# Altium PCB PCB_4Layer.PcbDoc (continued)
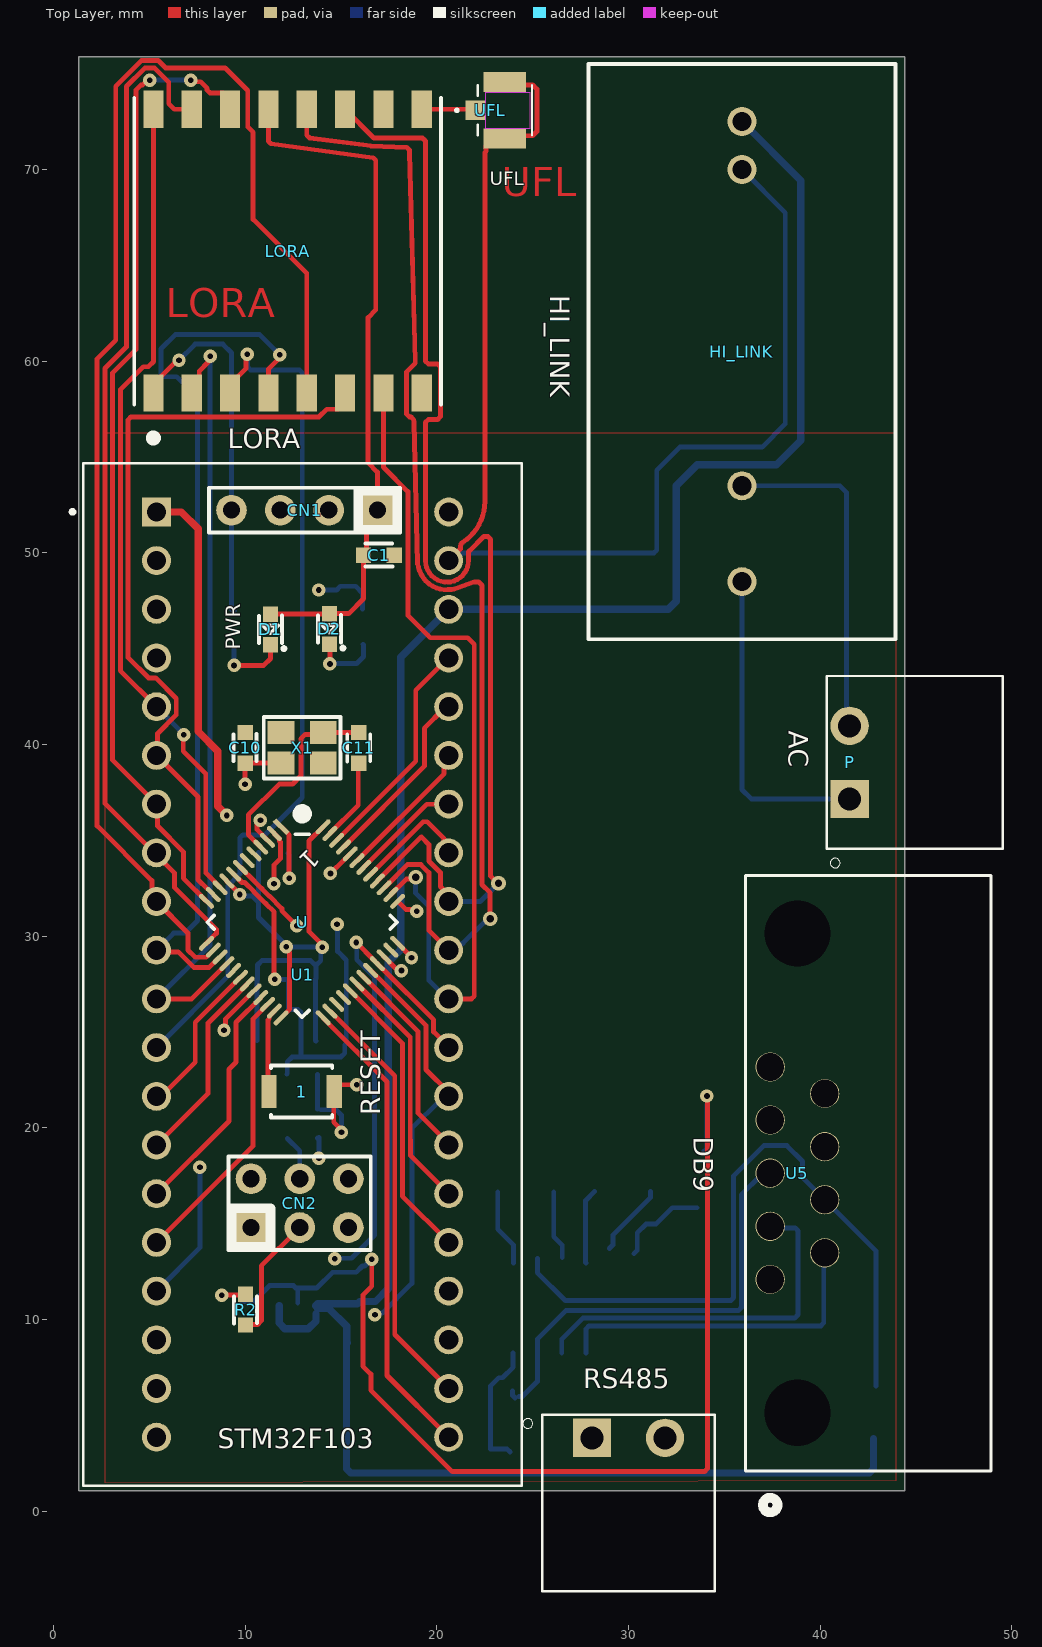
[diagram p0: Top Layer view]
## Part data (continued)
U: "MCU ARM 64KB FLASH 48LQFP", Case/Package=LQFP, Frequency=72MHz, Manufacturer=STMicroelectronics, Max Operating Temperature=85°C, Max Power Dissipation=363mW, Max Supply Voltage=3.6V, Min Operating Temperature=-40°C, Min Supply Voltage=2V, Package Quantity=250, Supplier Part Number 1=497-6063-ND, Address Bus Width=32b, ComponentLink1Description=https://datasheet.ciiva.com/15122/getdatasheetpartid-69880-15122076.pdf?src-supplier=Verical, ComponentLink1URL=https://datasheet.ciiva.com/15122/getdatasheetpartid-69880-15122076.pdf?src-supplier=Verical, ComponentLink2Description=https://datasheet.ciiva.com/26816/stm32f103c8t6-26816902.pdf?src-supplier=IIIC, ComponentLink2URL=https://datasheet.ciiva.com/26816/stm32f103c8t6-26816902.pdf?src-supplier=IIIC, ComponentLink3Description=https://datasheet.ciiva.com/16210/cd00161566-16210248.pdf?src-supplier=Future+Electronics, ComponentLink3URL=https://datasheet.ciiva.com/16210/cd00161566-16210248.pdf?src-supplier=Future+Electronics, ComponentLink4Description=https://datasheet.ciiva.com/14100/pustm-arm-microcont-stm32f103-en-14100508.pdf?src-supplier=Distrelec, ComponentLink4URL=https://datasheet.ciiva.com/14100/pustm-arm-microcont-stm32f103-en-14100508.pdf?src-supplier=Distrelec, ComponentLink5Description=https://datasheet.ciiva.com/8054/1730126-8054942.pdf?src-supplier=Element14, ComponentLink5URL=https://datasheet.ciiva.com/8054/1730126-8054942.pdf?src-supplier=Element14, ComponentLink6Description=https://datasheet.ciiva.com/48687/001075658-da-01-en-mcu-64kb-mem-stm32f103c8t6-lqfp-48-stm-48687589.pdf?src-supplier=Conrad, ComponentLink6URL=https://datasheet.ciiva.com/48687/001075658-da-01-en-mcu-64kb-mem-stm32f103c8t6-lqfp-48-stm-48687589.pdf?src-supplier=Conrad, Core Architecture=ARM, Data Bus Width=32b, Density=64KB, Height=1.45mm, Interface=I2C,SPI,USB,CAN,IrDA,UART,USART,LIN, Lead Free="Lead Free", Length=7mm, Manufacturer Part Number=STM32F103C8T6, Max Frequency=72MHz, Memory Size=64KB, Memory Type=FLASH, Number of ADC Channels=10, Number of Bits=32, Number of I2C Channels=2, Number of I/Os=37, Number of Pins=48, Number of Programmable I/O=48, Number of PWM Channels=1, Number of SPI Channels=2, Number of Timers/Counters=4, Oscillator Type=Internal, Packaging=Tray, Peripherals="POR,PWM,WDT,DMA,Temp Sensor,I2C", Pricing 1="1=4.94000, 10=4.43700, 25=4.19480, 100=3.63540, 250=3.44896, 500=3.09474, 1000=2.61002, 2500=2.47952, 5000=2.38630 (USD)", Radiation Hardening=No, RAM Size=20KB, REACH SVHC="No SVHC", RoHS=Yes, Stock=1021, Supplier 1=Digi-Key, Termination=SMD/SMT, Watchdog Timer=Yes, Width=7.2mm
U1: "STM32F103C8T6 ARM STM32 Minimum System Development Board Module For Arduino", Package=None, Availability=Unavailable, MF=YKS, MP=ZC323000, Price=None, SnapEDA_Link=https://www.snapeda.com/parts/ZC323000/YKS/view-part/725364/?ref=snap
U2: "LDO 3.3V 150mA low Iq SOT23-5", Case/Package=SOT-23, Dropout Voltage=230mV, Manufacturer="Texas Instruments", Max Input Voltage=5.5V, Max Operating Temperature=125°C, Max Output Current=150mA, Min Current Limit=180mA, Min Input Voltage=1.4V, Min Operating Temperature=-40°C, Nominal Output Voltage=3.3V, Output Voltage Accuracy=1%, Package Quantity=1, Power Supply Rejection Ratio (PSRR)=70dB, Quiescent Current=50uA, Supplier Part Number 1=296-35591-6-ND, Accuracy=1%, ComponentLink1Description=http://focus.ti.com/lit/ds/symlink/tps73001.pdf, ComponentLink1URL=http://focus.ti.com/lit/ds/symlink/tps73001.pdf, ComponentLink2Description=https://datasheet.ciiva.com/46441/1840222-46441099.pdf, ComponentLink2URL=https://datasheet.ciiva.com/46441/1840222-46441099.pdf, HelpURL=D:\MPA_ALTIUM_LIB\Released\SCH_IC\Datasheet\TLV713xx.pdf, Lead Free="Lead Free", Library=S_IC_Pwr, Manufacturer Part Number=TLV71333PDBVR, Mount="Surface Mount", Number of Outputs=1, Number of Pins=5, Number of Regulators=1, Output Current=150mA, Output Voltage=3.3V, Packaging="Tape and Reel", Polarity=Positive, Pricing 1="1=0.42, 10=0.339, 100=0.2307, 500=0.17304, 1000=0.12978 (USD)", Pricing 2="5=0.305, 50=0.279, 100=0.15, 250=0.145, 500=0.108 (EUR)", Pricing 3="1=0.41, 10=0.311, 50=0.311, 100=0.168, 1000=0.126, 10000=0.102 (USD)", Radiation Hardening=No, REACH SVHC="No SVHC", Supplier 1=Digi-Key, Supplier 2=Farnell, Supplier 3=Mouser, Supplier Part Number 2=2463932, Supplier Part Number 3=595-TLV71333PDBVR
U5: "No Description Available", Mfr_Name="ADAM TECHNOLOGIES INC", Digi-Key_Part_Number_1=2057-DE09-PL-25-ND, RefDes=RefDes, Type=Type
UFL: "U.FL (UMCC) Connector Receptacle, Male Pin 50Ohm Surface Mount Solder", Package=None, Availability="In Stock", Check_prices=https://www.snapeda.com/parts/U.FL-R-SMT(10)/Hirose+Electric+Co+Ltd/view-part/?ref=eda, MF="Hirose Electric Co Ltd", MP=U.FL-R-SMT(10), Price=None, Purchase-URL=https://pricing.snapeda.com/search/part/U.FL-R-SMT(10)/?ref=eda, SnapEDA_Link=https://www.snapeda.com/parts/U.FL-R-SMT(10)/Hirose+Electric+Co+Ltd/view-part/?ref=snap
X1: "CRYSTAL 12MHZ 18PF SMD", Betriebstemperatur, max.=85, Betriebstemperatur, min.=-40, ESR (Equivalent Series Resistance)="120 Ohm", Frequency=12MHz, Frequency Stability=±30ppm, Frequency Tolerance=±20ppm, Frequenz=12, Frequenzstabilität=±30, Frequenztoleranz="± 20", Load Capacitance=18pF, Manufacturer="Abracon Corporation", Manufacturer Part Number=ABM8G-12.000MHZ-18-D2Y-T, Operating Mode=Fundamental, Operating Temperature="-40°C ~ 85°C", Operating Temperature Range="- 40 C to + 85 C", Package / Case="4-SMD, No Lead (DFN, LCC)", Package/Case="3.2 mm x 2.5 mm", Ratings=-, Supplier Part Number 1=535-10261-1-ND, Tolerance="20 PPM", Anzahl der Pins=4, Belastungskapazität=18, Brand=ABRACON, ComponentLink1Description=http://www.abracon.com/Resonators/ABM8G.pdf, ComponentLink1URL=http://www.abracon.com/Resonators/ABM8G.pdf, ComponentLink2Description=http://www.farnell.com/datasheets/1750120.pdf, ComponentLink2URL=http://www.farnell.com/datasheets/1750120.pdf, ComponentLink3Description=http://www.mouser.com/ds/2/3/ABM8G-10572.pdf, ComponentLink3URL=http://www.mouser.com/ds/2/3/ABM8G-10572.pdf, Dimensions="2.5 mm W x 3.2 mm L x 1 mm H", ESR="120 Ohms", Height="0.039\" (1.00mm)", HelpURL=D:\MPA_ALTIUM_LIB\Released\SCH_Passive\Datasheet\ABM8G-10572.pdf, Library=S_Crystal, Minimum Order Quantity=1, Mounting Style=SMD/SMT, Mounting Type="Surface Mount", Packaging="Cut Tape (CT)", Pricing 1="1=0.87, 10=0.776, 50=0.7246, 100=0.6412, 500=0.60592 (EUR)", Pricing 2="1=1,94, 10=1,51, 50=1,15, 100=0,879, 500=0,783, 1000=0,623, 1000=0,561, 6000=0,505 (EUR)", Pricing 3="1=0.848, 10=0.755, 50=0.705, 100=0.624, 500=0.560, 1000=0.437, 2000=0.424, 5000=0.406, 10000=0.390 (EUR)", Product Category="SMD Crystals", Quarzgehäuse="3.2mm x 2.5", Quarzmontage=Oberflächenmontage, Reeling=True, Rev=2.0, RoHS - Mouser=Y, Series=ABM8G, Size / Dimension="0.126\" L x 0.098\" W (3.20mm x 2.50mm)", Standard Pack Qty=1000, Supplier 1=Digi-Key, Supplier 2=Farnell, Supplier Part Number 2=2308709, Supplier Part Number 3=815-ABM8G-12-18D2Y, Termination Style=SMD/SMT, Type="MHz Crystal", Verpackung="Gurtabschnitt<!--FANDB--><div class=\"features-and-benefits-container\"></div>"

## Via types
v1: diameter 0.7, hole 0.3, Top Layer to Bottom Layer, tented both sides, 35 vias
v2: diameter 0.762, hole 0.381, Top Layer to Bottom Layer, 3 vias
v3: diameter 0.7, hole 0.3, Top Layer to Bottom Layer, 1 vias

## Nets (pads, with @x,y where several pads share a name; then routed paths per layer and width w, separated by ;. In a path a pad name is that pad's centre, name@x,y a point inside that pad or via, vN(x,y) a via of type N, cw(c..) or ccw(c..) an arc to the next point about the centre after c; other vN are vias at no path point)
13: MAX232.13 U5.2 | length 17.4
  Bottom Layer w0.254: MAX232.13 27.788,9.529 27.936,9.677 40.03,9.677 40.183,9.83 40.183,13.183 U5.2@40.386,13.386
14: MAX232.14 U5.3 | length 19.4
  Bottom Layer w0.254: MAX232.14 26.518,8.986 27.613,10.081 38.664,10.081 38.84,10.258 38.84,14.638 38.691,14.786 37.715,14.786 U5.3@37.567,14.935
+3V3: C1.1@16.175,49.875 C8.1 CN1.1 CN2.1 CN2.2 D1.1 D2.1 F2.2 LORA.13 R5.1 U1.18 U1.40 U2.5 | length 36
  Top Layer w0.254: LORA.13 11.217,71.469 11.352,71.334 16.679,70.604 16.739,70.544 16.813,70.47 16.813,70.364 16.813,62.665 16.415,62.267 16.415,54.692 16.899,54.208 16.899,52.225 16.325,51.651 C1.1@16.325,49.95 ; D1.1 14.35,46.8 D2.1@14.425,46.875 ; D2.1 15.4,46.825 16.175,47.6 C1.1@16.175,49.825
+5V: C4.1@42.774,3.798 C9.1 HI_LINK.4 U1.38 U2.1 U2.3 | length 126.5
  Bottom Layer w0.381: U2.3 11.775,9.825 12.075,9.525 13.3,9.525 13.7,9.925 U2.1@13.7,10.325 ; U2.1@13.675,10.709 13.785,10.6 14.35,10.6 15.3,9.65 15.3,8.822 15.322,8.8 ; U2.1 13.775,10.825 15.85,10.825 15.972,10.947 16.802,10.947 17.465,11.61 17.465,28.642 18.12,29.297 18.12,44.551 U1.38 ; 15.291,8.687 15.291,2.23 15.514,2.007 42.55,2.007 42.774,2.23 C4.1@42.774,3.798 ; U1.38@20.63,47.061 20.641,47.05 32.069,47.05 32.487,47.467 32.487,53.492 33.581,54.587 37.721,54.587 38.989,55.855 38.989,69.419 HI_LINK.4
+C1: C1.2@24.079,2.998 MAX232.16 | length 6.7
  Bottom Layer w0.254: C1.2@23.825,3.099 23.676,3.248 22.809,3.248 22.809,6.55 23.233,6.973 23.427,6.973 23.978,7.524 MAX232.16
+C2: C2.2@23.178,16.662 MAX232.1 | length 4.1
  Bottom Layer w0.254: C2.2@23.178,16.662 23.178,14.714 24.003,13.889 MAX232.1@24.003,12.954
+C3: C3.2@33.909,15.825 MAX232.6 | length 4.8
  Bottom Layer w0.254: MAX232.6@30.277,13.437 30.454,13.614 30.454,14.528 30.912,14.986 31.428,14.986 32.279,15.837 C3.2@33.579,15.837
+C4: C4.2@42.774,6.718 MAX232.2 U5.4 | length 35.8
  Bottom Layer w0.254: MAX232.2 25.248,12.451 26.701,10.998 35.335,10.998 35.484,11.147 35.484,17.509 37.05,19.075 38.256,19.075 39.082,18.249 39.082,17.406 40.181,16.307 U5.4@40.208,16.307 ; U5.4 42.901,13.588 C4.2@42.901,6.528
+C5: C5.2@28.233,16.688 MAX232.4 | length 3.9
  Bottom Layer w0.254: MAX232.4@27.788,12.954 27.762,12.979 27.762,14.935 27.76,14.938 27.76,16.215 C5.2@28.233,16.688
+Vbat: F1.1 U1.1 U.1 | length 26.9
  Top Layer w0.254: U.1 12.3,35.289 v1(12.3,33.025)
  Top Layer w0.381: U1.1 6.67,52.13 7.55,51.25 7.55,40.675 8.575,39.65 8.575,36.775 v1(9.05,36.3)
  Signal Layer 2 w0.381: v1(9.05,36.3) 9.05,36.288 12.202,33.135 12.202,33.027 v1@12.175,33
  Bottom Layer w0.254: F1.1@12.225,34.325 12.3,34.25 v1(12.3,33.025)
-C1: C1.1@24.079,5.918 MAX232.15 U5.5 | length 23
  Bottom Layer w0.254: C1.1@23.952,6.287 23.952,6.045 C1.1@24.079,5.918 ; C1.1@24.282,5.994 24.465,5.994 25.248,6.777 MAX232.15 25.248,8.986 26.747,10.485 35.739,10.485 35.888,10.634 35.888,16.508 36.881,17.501 U5.5@37.363,17.501
-C2: C2.1@26.098,16.662 MAX232.3 | length 3.6
  Bottom Layer w0.254: C2.1@26.098,16.662 26.098,14.334 26.543,13.889 MAX232.3@26.543,13.233
-C5: C5.1@31.153,16.688 MAX232.5 | length 3.9
  Bottom Layer w0.254: MAX232.5@29.007,13.716 29.184,13.893 29.184,14.409 31.153,16.378 C5.1@31.153,16.688
ANT: LORA.9 UFL.1 | length 3.1
  Top Layer w0.22: LORA.9@19.05,73.135 LORA.9 UFL.1@22.149,73.135
BOOT0: R2.1 U.44 | length 27.9
  Top Layer w0.254: v1(8.788,11.278) 9.978,11.278 R2.1 ; v1(14.45,33.275) 14.788,33.613 ; v1@14.5,33.275 14.5,33.313 15.482,34.296 U.44
  Signal Layer 2 w0.254: v1(8.788,11.278) 8.788,11.281 8.273,11.796 8.273,27.098 14.325,33.15 v1@14.325,33.325
BOOT1: R3.1 U.20 | length 12.3
  Top Layer w0.254: v1(8.9,25.1) 8.985,25.185 8.985,25.685 U.20@10.3,27
  Signal Layer 2 w0.254: v1(8.9,25.1) 10.543,23.457 10.543,23.146 12.1,21.588 12.1,20.175 v1(13.85,18.425)
  Bottom Layer w0.254: R3.1@13.775,19.475 R3.1 ; v1(13.85,18.425) R3.1@13.85,19.5
GND: 1.1 C1.2@17.775,49.875 C2.2@12.25,26.2 C3.1@33.909,18.745 C3.2@12.25,27.75 C4.2@15.3,24.55 C5.2@15.275,26.2 C6.2 C7.2 C8.2 C9.2 C10.2 C11.2 CN1.4 CN2.5 CN2.6 HI_LINK.3 LORA.1 R1.2 U1.19 U1.20 U1.39 U2.2 U.8 U.23 U.35 U.47 UFL.2 UFL.3 X1.2 X1.4 | length 175.9
  Top Layer w0.254: LORA.1 5.217,58.785 6.469,60.036 6.646,60.036 v1@6.731,60.122 ; U.8 9.407,33.235 9.84,32.802 9.985,32.802 10.472,32.315 10.472,32.303 11.076,31.7 11.087,31.7 11.512,31.274 v1@11.512,27.788 ; 1.1@11.201,22.047 11.201,25.631 11.263,25.693 11.263,25.831 U.23 ; U.47 15.9,36.832 C11.2@15.9,38.95 ; v1@16.561,13.208 16.609,13.159 v1(16.609,13.15) 16.609,11.745 16.146,11.281 16.146,7.578 16.561,7.163 16.561,6.325 20.809,2.076 33.96,2.076 34.109,2.225 34.109,21.644 v3(34.087,21.666) ; U1.39 21.234,50.204 21.234,50.331 21.234,50.348 21.237,50.365 cw(c21.488,50.331) 21.35,50.544 ccw(c19.984,52.662) 22.504,52.662 22.504,70.873 22.573,70.941 22.573,71.203 22.971,71.601 UFL.3 ; UFL.3@23.52,71.704 23.565,71.749 25.002,71.749 25.223,71.97 25.223,74.182 25.002,74.403 23.694,74.403 UFL.2
  Signal Layer 2 w0.254: CN2.5 15.39,14.49 16.609,13.271 v1(16.609,13.15)
  Bottom Layer w0.254: v1(6.553,60.046) 7.391,60.884 8.839,60.884 9.29,60.433 9.29,47.048 9.363,46.975 R1.2@9.45,46.975 ; C8.2 10.45,10.95 11.275,11.775 12.525,11.775 12.65,11.65 ; v1(11.55,27.75) 12.25,27.75 12.25,26.2 12.275,26.175 12.776,26.175 12.925,26.026 12.925,23.725 ; C7.2 12.2,22.825 12.2,23.45 12.45,23.7 15,23.7 15.2,23.9 15.2,24.325 C4.2@15.3,24.425 ; U2.2@12.75,10.875 12.75,11.55 12.65,11.65 ; v1(14.8,30.625) 14.825,30.6 14.825,29.212 15.275,28.761 C6.2 15.275,26.2 C4.2@15.275,24.575 ; v1(16.609,13.15) 16.59,13.15 16.238,12.798 16.123,12.798 15.8,12.475 14.562,12.475 13.737,11.65 12.65,11.65 ; U1.39@20.803,49.505 20.874,49.505 21.36,49.991 31.322,49.991 31.471,50.14 31.471,54.305 32.677,55.512 36.97,55.512 38.176,56.718 38.176,67.732 HI_LINK.3 ; C3.1@33.909,18.745 34.087,18.923 34.087,21.234
inp1: HI_LINK.1 P.1 | length 16.5
  Bottom Layer w0.254: HI_LINK.1@35.89,48.285 35.916,48.26 35.916,37.643 36.398,37.16 P.1
inp2: HI_LINK.2 P.2 | length 18.3
  Bottom Layer w0.254: HI_LINK.2 41.021,53.492 41.377,53.137 41.377,40.945 P.2@41.732,40.589
NetC2_1: C2.1@10.65,26.2 C3.1@10.65,27.75 C4.1@13.7,24.55 C5.1@13.675,26.2 C6.1 F1.2 F2.1 U.9 U.24 U.36 U.48 | length 39.1
  Top Layer w0.254: U.9@9.025,32.9 9.725,32.2 v1(9.725,32.175) ; U.24@12.141,26.005 12.325,26.189 12.325,29.152 12.148,29.329 v1(12.148,29.45) ; v1@14,29.45 14,29.577 13.325,30.252 13.325,34.964 U.48 ; U.36 17.96,29.626 18.682,28.905 v1(18.682,28.882)
  Signal Layer 1 w0.254: v1(14.031,29.425) 14.604,29.998 15.06,29.998 15.762,30.7 16.863,30.7 v1(18.682,28.882)
  Bottom Layer w0.254: v1(9.725,32.175) 9.81,32.09 10.385,32.09 10.7,31.775 ; F2.1 10.625,27.725 10.65,27.75 10.65,28.5 10.875,28.725 13.425,28.725 13.675,28.475 ; F1.2 10.7,31.775 ; C6.1@13.65,27.75 13.7,27.8 13.7,28.475 13.946,28.721 13.946,29.34 v1(14.031,29.425) ; C6.1 13.675,26.2 13.675,24.55 C4.1@13.7,24.525 ; v1@13.925,29.425 13.912,29.438 12.237,29.438 12.225,29.45 v1(12.148,29.45) 12.125,29.473 12.125,29.55 10.7,30.975 10.7,31.775
NetC10_1: C10.1 U.3 X1.1 | length 6.3
  Top Layer w0.254: C10.1@9.925,38.8 9.952,38.8 10,38.752 v1(10,37.925) ; C10.1 11.75,39.025 X1.1@11.775,39 ; v1(10.802,36.047) 10.772,36.047 10.625,35.9 10.625,35.553 11.172,35.006 U.3
  Signal Layer 1 w0.254: v1(10,37.925) 9.975,37.9 9.975,36.874 v1(10.802,36.047)
NetC11_1: C11.1 U.4 X1.3 | length 10.5
  Top Layer w0.254: U.4 10.175,35.293 10.175,36.325 11.78,37.93 12.472,37.93 12.911,38.37 12.911,40.293 13.143,40.524 13.974,40.524 X1.3 C11.1@15.8,40.625
NetCN2_3: CN2.3 R2.2 | length 6.6
  Top Layer w0.254: R2.2 10.05,9.75 10.65,9.75 10.85,9.95 10.85,12.805 12.77,14.725 CN2.3@12.925,14.725
NetCN2_4: CN2.4 R3.2 | length 2.4
  Bottom Layer w0.254: R3.2 12.85,18.8 CN2.4
NetD1_2: D1.2 R1.1 | length 3.7
  Top Layer w0.254: v1(9.425,44.125) 10.975,44.125 11.325,44.475 D1.2
  Bottom Layer w0.254: v1(9.425,44.125) 9.425,45.025 R1.1@9.45,45.05
NetD2_2: D2.2 R4.1 | length 3.6
  Top Layer w0.254: v1(14.425,44.2) 14.425,45.15 D2.2@14.5,45.225
  Bottom Layer w0.254: v1(14.425,44.2) 14.45,44.225 15.825,44.225 16.175,44.575 16.175,45.2 R4.1
NetLabel10: MAX232.11
NetLabel11: MAX232.12
PA0: LORA.16 U1.5 U.10 | length 43.8
  Top Layer w0.254: LORA.16 5.217,59.984 5.229,59.973 4.955,59.699 4.689,59.699 3.498,58.508 3.498,43.852 U1.5 U1.5@5.221,41.97 ; v1(6.807,40.513) 6.776,40.482 6.776,39.655 7.95,38.481 7.95,33.3 8.697,32.553 U.10
  Bottom Layer w0.254: U1.5 5.38,41.955 v1@6.833,40.502
PA1: LORA.6 U1.6 U.11 | length 39.4
  Top Layer w0.254: U1.6 7.546,37.264 7.546,32.954 U.11@8.05,32.45 ; U1.6@5.588,39.522 5.433,39.677 5.433,40.565 6.411,41.543 6.411,42.397 5.337,43.471 4.961,43.471 3.902,44.53 3.902,56.934 4.051,57.083 13.857,57.083 14.261,57.487 14.819,57.487 15.215,57.882 15.215,58.039 15.217,58.042 LORA.6
PA2: LORA.14 U1.7 U.12 | length 50.9
  Top Layer w0.254: v1(5.029,74.651) 4.909,74.651 4.645,74.387 4.557,74.387 4.318,74.148 4.318,60.604 3.094,59.38 3.094,39.176 5.258,37.012 U1.7@5.258,36.83 ; U1.7 5.433,36.837 5.433,35.755 6.785,34.403 6.785,33.026 U.12 ; v1(7.163,74.651) 7.248,74.565 7.679,74.565 8.019,74.225 8.019,74.132 8.168,73.983 8.819,73.983 9.217,73.585 LORA.14
  Bottom Layer w0.254: v1(5.029,74.651) v1(7.163,74.651)
PA3: LORA.15 U1.8 U.13 | length 53.1
  Top Layer w0.254: LORA.15 6.311,73.135 6.019,73.427 6.019,74.547 5.289,75.278 4.769,75.278 3.81,74.318 3.81,60.731 2.69,59.611 2.69,36.926 5.323,34.293 6.31,33.306 6.31,32.549 8.505,30.354 8.505,30.144 U.13
PA4: LORA.5 U1.9 U.14 | length 73.8
  Top Layer w0.254: U1.9@5.309,31.801 5.14,31.969 5.14,32.897 2.286,35.751 2.286,60.122 3.251,61.087 3.251,74.331 4.602,75.682 5.456,75.682 5.852,75.286 8.959,75.286 10.136,74.108 10.136,72.213 10.415,71.933 10.415,67.391 13.217,64.589 LORA.5 ; U1.9 7.025,30.165 7.025,29.275 7.4,28.9 7.975,28.9 U.14@8.1,29.025
PA5: LORA.4 U1.10 U.15 | length 46.8
  Top Layer w0.254: U1.10 5.465,29.185 6.515,29.185 7.325,28.375 8.125,28.375 U.15@8.575,28.825 ; LORA.4 11.217,59.579 11.726,60.087 11.726,60.24 v1(11.811,60.325)
  Bottom Layer w0.254: U1.10@5.309,29.337 5.447,29.337 6.27,30.16 6.868,30.16 7.518,30.81 7.518,58.093 6.43,59.182 5.762,59.182 5.613,59.331 5.613,60.63 6.375,61.392 10.744,61.392 v1(11.811,60.325)
PA6: LORA.2 U1.11 U.16 | length 41.3
  Top Layer w0.254: U1.11 7.212,26.73 U.16 ; LORA.2 7.608,58.726 7.608,59.475 8.093,59.96 8.093,60.043 8.147,60.096 v1@8.23,60.096
  Bottom Layer w0.254: U1.11@5.512,26.721 5.512,26.862 8.179,29.529 v1(8.179,60.249)
PA7: LORA.3 U1.12 | length 45.1
  Top Layer w0.254: U1.12@5.38,24.107 U1.12 ; LORA.3 9.217,58.785 10.052,59.619 10.052,60.293 v1(10.109,60.35)
  Bottom Layer w0.254: U1.12 9.093,27.903 9.093,32.614 9.728,33.249 9.728,35.132 9.877,35.281 11.024,35.281 12.979,37.236 12.979,59.389 12.831,59.538 10.28,59.538 10.131,59.686 10.131,60.328 v1(10.109,60.35)
PA8: U1.25 U.29 | length 15.4
  Top Layer w0.254: U.29@15.4,27.225 18.208,24.417 18.208,16.442 U1.25
PA9: U1.26 U.30 | length 12.9
  Top Layer w0.254: U.30 18.612,24.734 18.612,19.388 18.625,19.375 18.625,18.565 U1.26
PA10: U1.27 U.31 | length 10.7
  Top Layer w0.254: U.31@16.075,27.975 19.025,25.025 19.025,20.775 20.62,19.18 U1.27
PA11: U1.28 U.32 | length 21.4
  Top Layer w0.254: U.32@16.575,28.2 19.429,25.346 19.429,23.05 20.62,21.859 U1.28
  Bottom Layer w0.254: v1(16.773,10.257) 16.858,10.342 17.149,10.342 18.7,11.893 18.7,19.975 20.2,21.475 U1.28@20.575,21.475
PA12: U1.29 U.33 | length 25.5
  Top Layer w0.254: v1(15.8,29.675) U.33@16.725,28.75 ; U.33 17.162,28.306 17.169,28.306 19.833,25.642 19.833,25.008 20.62,24.221 U1.29
  Bottom Layer w0.254: v1(14.675,13.175) 14.702,13.202 15.552,13.202 16.75,14.4 16.75,27.85 15.825,28.775 15.825,29.65 v1(15.8,29.675)
PA13: 
PA15: LORA.7 U1.30 U.38 | length 44.4
  Top Layer w0.254: LORA.7 17.217,54.461 18.491,53.188 18.491,46.736 19.66,45.568 21.615,45.568 21.953,45.23 21.953,26.879 21.805,26.73 U1.30 ; U.38 18.407,32.975 v2@18.675,32.975
  Bottom Layer w0.254: v2(18.898,33.075) 18.898,32.239 19.577,31.56 19.577,27.692 U1.30@20.549,26.721
PB0: U1.13 U.18 | length 7.9
  Top Layer w0.254: U1.13@5.675,21.625 5.675,21.7 7.4,23.425 7.4,25.504 U.18
PB1: U1.14 U.19 | length 10.1
  Top Layer w0.254: U1.14@5.6,19.275 5.6,19.33 8.075,21.805 8.075,25.471 U.19
PB3: LORA.12 U1.31 U.39 | length 61.2
  Top Layer w0.254: LORA.12 13.217,71.884 13.217,71.779 13.366,71.63 16.557,71.224 18.434,71.142 18.577,70.999 18.58,70.898 18.875,59.993 18.875,59.884 18.415,59.425 18.415,57.245 18.578,57.083 18.654,57.083 18.727,57.011 18.798,56.939 18.801,56.838 19.002,49.421 19.038,49.258 ccw(c20.528,49.589) 20.382,48.069 20.459,48.069 ccw(c20.421,48.471) 20.474,48.071 cw(c20.62,47.05) 20.683,48.079 20.749,48.079 ccw(c20.716,48.482) 20.781,48.083 ccw(c20.528,49.589) 21.039,48.15 21.967,48.481 22.178,48.481 22.252,48.406 22.357,48.301 22.357,32.694 22.784,32.267 22.784,31.14 v2@22.631,30.988 ; U.39@17.297,32.563 18.468,33.733 19.17,33.733 19.589,33.314 19.589,30.301 U1.31@20.498,29.392 ; U1.31 U1.31@20.86,29.51
  Bottom Layer w0.254: U1.31@20.477,29.235 20.925,29.235 21.316,29.626 21.361,29.626 22.646,30.912 v2@22.758,30.912
  other v2: 22.784,30.912
PB4: LORA.11 U1.32 U.40 | length 62.5
  Top Layer w0.254: LORA.11 16.725,71.628 19.257,71.628 19.331,71.554 cw(c19.152,71.374) 19.332,71.553 19.406,71.479 19.406,59.997 19.554,59.848 20.038,59.848 20.187,59.7 20.187,57.096 20.038,56.947 19.554,56.947 19.406,56.798 19.406,49.587 ccw(c20.528,49.589) 20.386,48.475 ccw(c20.418,48.727) 20.447,48.475 cw(c20.62,47.05) 20.689,48.483 ccw(c20.7,48.737) 20.749,48.488 ; U.40 19.196,35.178 19.589,34.785 19.589,33.923 20.193,33.319 20.193,32.576 20.602,32.168 20.602,31.828 U1.32 U1.32@20.86,32.05 ; 20.75,48.488 ccw(c20.528,49.589) 21.651,49.604 21.648,49.836 21.648,50.046 21.686,50.085 22.45,50.849 22.66,50.849 22.809,50.7 22.809,33.135 23.051,32.893 v2@23.139,32.893
  Bottom Layer w0.254: U1.32@20.213,31.801 22.25,31.801 v2(23.216,32.766)
PB5: U1.33 U.41 | length 6.2
  Top Layer w0.254: U.41 19.283,35.973 19.494,35.973 20.38,35.086 20.38,34.59 U1.33
PB6: U1.34 U.42 | length 5.7
  Top Layer w0.254: U.42 19.485,36.881 20.369,36.881 U1.34@20.45,36.8
PB7: U1.35 U.43 | length 7.3
  Top Layer w0.254: U.43 20.38,38.484 20.38,39.32 U1.35@20.35,39.35
PB8: U1.36 U.45 | length 9.5
  Top Layer w0.254: U.45 19.35,38.868 19.35,40.85 20.375,41.875 U1.36@20.45,41.875
PB9: U1.37 U.46 | length 12
  Top Layer w0.254: U.46 18.9,39.125 18.9,42.825 20.55,44.475 U1.37@20.65,44.475
PB10: U1.15 U.21 | length 12.4
  Top Layer w0.254: U1.15@5.45,16.625 5.45,16.64 9.163,20.353 9.163,23.06 9.527,23.424 9.527,25.509 U.21
PB11: U1.16 U.22 | length 14.7
  Top Layer w0.254: U1.16@5.6,14.05 5.6,14.25 10.417,19.067 10.417,25.692 U.22
PB12: U1.21 U.25 | length 24.6
  Top Layer w0.254: U.25@14.075,25.725 17.4,22.4 17.4,7.09 U1.21
PB13: U1.22 U.26 | length 22.2
  Top Layer w0.254: U.26@14.475,26.05 17.804,22.721 17.804,9.226 U1.22
PB14: U1.23
PB15: U1.24
PC13: R4.2 U.2 | length 22.5
  Top Layer w0.254: v1(11.503,32.731) 11.503,33.71 11.839,34.046 11.839,34.904 11.788,34.956 11.788,35.094 U.2
  Signal Layer 1 w0.254: v1(11.503,32.731) 11.503,43.178 12.975,44.65 12.975,47.189 v1(13.843,48.057)
  Bottom Layer w0.254: v1(13.843,48.057) 14.773,48.057 14.966,48.25 15.775,48.25 16.125,47.9 R4.2@16.125,47.075
RESET: 1.2 C7.1 R5.2 U1.17 U.7 | length 36.4
  Top Layer w0.254: U.7 9.76,33.589 10.143,33.206 10.152,33.206 10.876,32.482 10.876,32.471 11.243,32.104 11.255,32.104 11.916,31.442 11.916,31.332 v1@12.649,30.599 ; 1.2@14.393,21.982 1.2@14.45,21.925 ; 1.2@14.625,21.55 14.625,20.296 15.025,19.896 v1(15.025,19.775) ; 1.2@14.648,22.25 v1(15.825,22.25)
  Signal Layer 1 w0.254: v1(7.646,17.949) 7.747,18.05 7.825,18.05 9.55,19.775 v1(15.025,19.775) ; v1(12.698,30.55) 12.775,30.473 12.775,25.3 v1(15.825,22.25)
  Bottom Layer w0.254: U1.17 7.646,13.756 v1(7.646,17.949) ; R5.2@13.775,20.975 C7.1 ; R5.2@13.95,20.95 14.75,20.95 15.025,20.675 v1(15.025,19.775)
SWCLK: CN1.3 U.37 | length 25.6
  Top Layer w0.254: U.37@17.963,31.821 18.399,31.385 18.865,31.385 v1(18.95,31.3)
  Signal Layer 1 w0.254: CN1.3@11.975,52.15 11.975,52.08 18.95,45.105 18.95,34.562 19.787,33.725 19.787,32.647 19.589,32.449 19.589,31.939 v1(18.95,31.3)
SWDIO: CN1.2 U.34 | length 26.9
  Top Layer w0.254: U.34 17.884,28.291 18.071,28.291 v1(18.156,28.206)
  Signal Layer 2 w0.254: CN1.2@14.25,52.1 14.495,52.1 15.85,50.745 15.85,30.512 v1(18.156,28.206)
pads on no net: LORA.8 LORA.10 MAX232.7 MAX232.8 MAX232.9 MAX232.10 MAX485.1 MAX485.2 MAX485.3 MAX485.4 MAX485.5 MAX485.6 MAX485.7 MAX485.8 RS485.1 RS485.2 U1.2 U1.3 U1.4 U2.4 U5.1 U5.6 U5.7 U5.8 U5.9 U5.10 U5.11 U.5 U.6 U.17 U.27 U.28

## Polygon pours and split planes (outlines as drawn)
GND on Top Layer "NONET_L01_P000" (solid, shelved, pour order 0): 2.7,1.502 2.7,56.252 43.95,56.252 43.95,1.595
+3V3 on Bottom Layer "NONET_L04_P001" (solid, shelved, pour order 1): 1.96,1.696 1.96,56.446 43.9,56.446 43.9,1.791

## Other copper
Top Layer:
  text "HI_LINK" at 45.285,157.321 h1.52 r270
  text "HI_LINK" at 45.288,157.328 h1.52 r270
  text "HI_LINK" at 46.05,149.987 h1.52 r270
  text "HI_LINK" at 46.701,149.743 h1.52 r270
  text "HI_LINK" at 46.75,149.694 h1.52 r270
  text "HI_LINK" at 44.533,149.349 h1.52 r270
  text "HI_LINK" at 46.66,148.158 h1.52 r270
  text "UFL" at 23.393,68.605 h1.52
  text "LORA" at 5.867,62.281 h1.52

## Silkscreen, mask and mechanical layers (free items; w line width, h text height)
Top Overlay WHITE:
  text "UFL" at 22.758,69.164 h0.7
  text "HI_LINK" at 25.922,63.424 h1 r270
  text "String" at 93.574,58.09 h1.52
  text "LORA" at 9.093,55.448 h1
  text "PWR" at 9.746,44.954 h0.76 r90
  text "AC" at 38.354,40.716 h1 r270
  text "RESET" at 17.046,20.654 h1.02 r90
  text "DB9" at 33.401,19.533 h1 r270
  text "STM32F103" at 8.585,3.302 h1
Bottom Overlay WHITE:
  text "MAX232" at 34.976,12.116 h1 r90
  text "C1" at 22.631,8.077 h0.7 r90
BOARD_OUT:
  the board outline again, w0.5
COMMENT:
  drawing of 295 lines, arcs and shapes, not listed
  text "Layer" at 11.969,142.48 h1.52
  text "Name" at 22.38,142.48 h1.52
  text "Material" at 54.883,142.48 h1.52
  text "Thickness" at 76.721,142.48 h1.52
  text "Constant" at 93.227,142.48 h1.52
  text "Board Layer Stack" at 107.701,142.48 h1.52
  text "Top Overlay WHITE" at 22.38,139.432 h1.52
  text "Top Solder GREEN" at 22.38,136.384 h1.52
  text "Solder Resist" at 54.883,136.384 h1.52
  text "0.010mm" at 76.721,136.384 h1.52
  text "3.5" at 93.227,136.384 h1.52
  text "1" at 11.969,133.336 h1.52
  text "Top Layer" at 22.38,133.336 h1.52
  text "0.035mm" at 76.721,133.336 h1.52
  text "Dielectric1" at 22.38,130.288 h1.52
  text "1080" at 54.883,130.288 h1.52
  text "0.120mm" at 76.721,130.288 h1.52
  text "4.8" at 93.227,130.288 h1.52
  text "2" at 11.969,127.24 h1.52
  text "Signal Layer 1" at 22.38,127.24 h1.52
  text "0.035mm" at 76.721,127.24 h1.52
  text "Dielectric 3" at 22.38,124.192 h1.52
  text "FR-4" at 54.883,124.192 h1.52
  text "1.200mm" at 76.721,124.192 h1.52
  text "4.2" at 93.227,124.192 h1.52
  text "3" at 11.969,121.144 h1.52
  text "Signal Layer 2" at 22.38,121.144 h1.52
  text "0.035mm" at 76.721,121.144 h1.52
  text "Dielectric 2" at 22.38,118.096 h1.52
  text "1080" at 54.883,118.096 h1.52
  text "0.120mm" at 76.721,118.096 h1.52
  text "4.8" at 93.227,118.096 h1.52
  text "4" at 11.969,115.048 h1.52
  text "Bottom Layer" at 22.38,115.048 h1.52
  text "0.035mm" at 76.721,115.048 h1.52
  text "Bottom Solder GREEN" at 22.38,112 h1.52
  text "Solder Resist" at 54.883,112 h1.52
  text "0.010mm" at 76.721,112 h1.52
  text "3.5" at 93.227,112 h1.52
  text "Bottom Overlay WHITE" at 22.38,108.952 h1.52

## Text inside footprints (layer, text, board x,y; h text height)
MAX232: Bottom Overlay WHITE "*" at 23.597,13.754 h1.27 r90; ASSY_BOT "*" at 24.765,12.662 h1.27 r90
U: Top Overlay WHITE "1" at 13.329,34.614 h0.95 r225; ASSY_TOP "1" at 13.329,34.614 h0.95 r225